# Altium PCB SMIOT_PCB.PcbDoc
Units mm, origin at the board's own origin, x right, y up, seen from the top; angles counter-clockwise.
Board outline 100 x 65 mm, 2 copper layers (Top Layer, Bottom Layer); 119 components, 79 nets, 369 pads, 42 vias.
Unrouted connection lines stored in the file: 79.
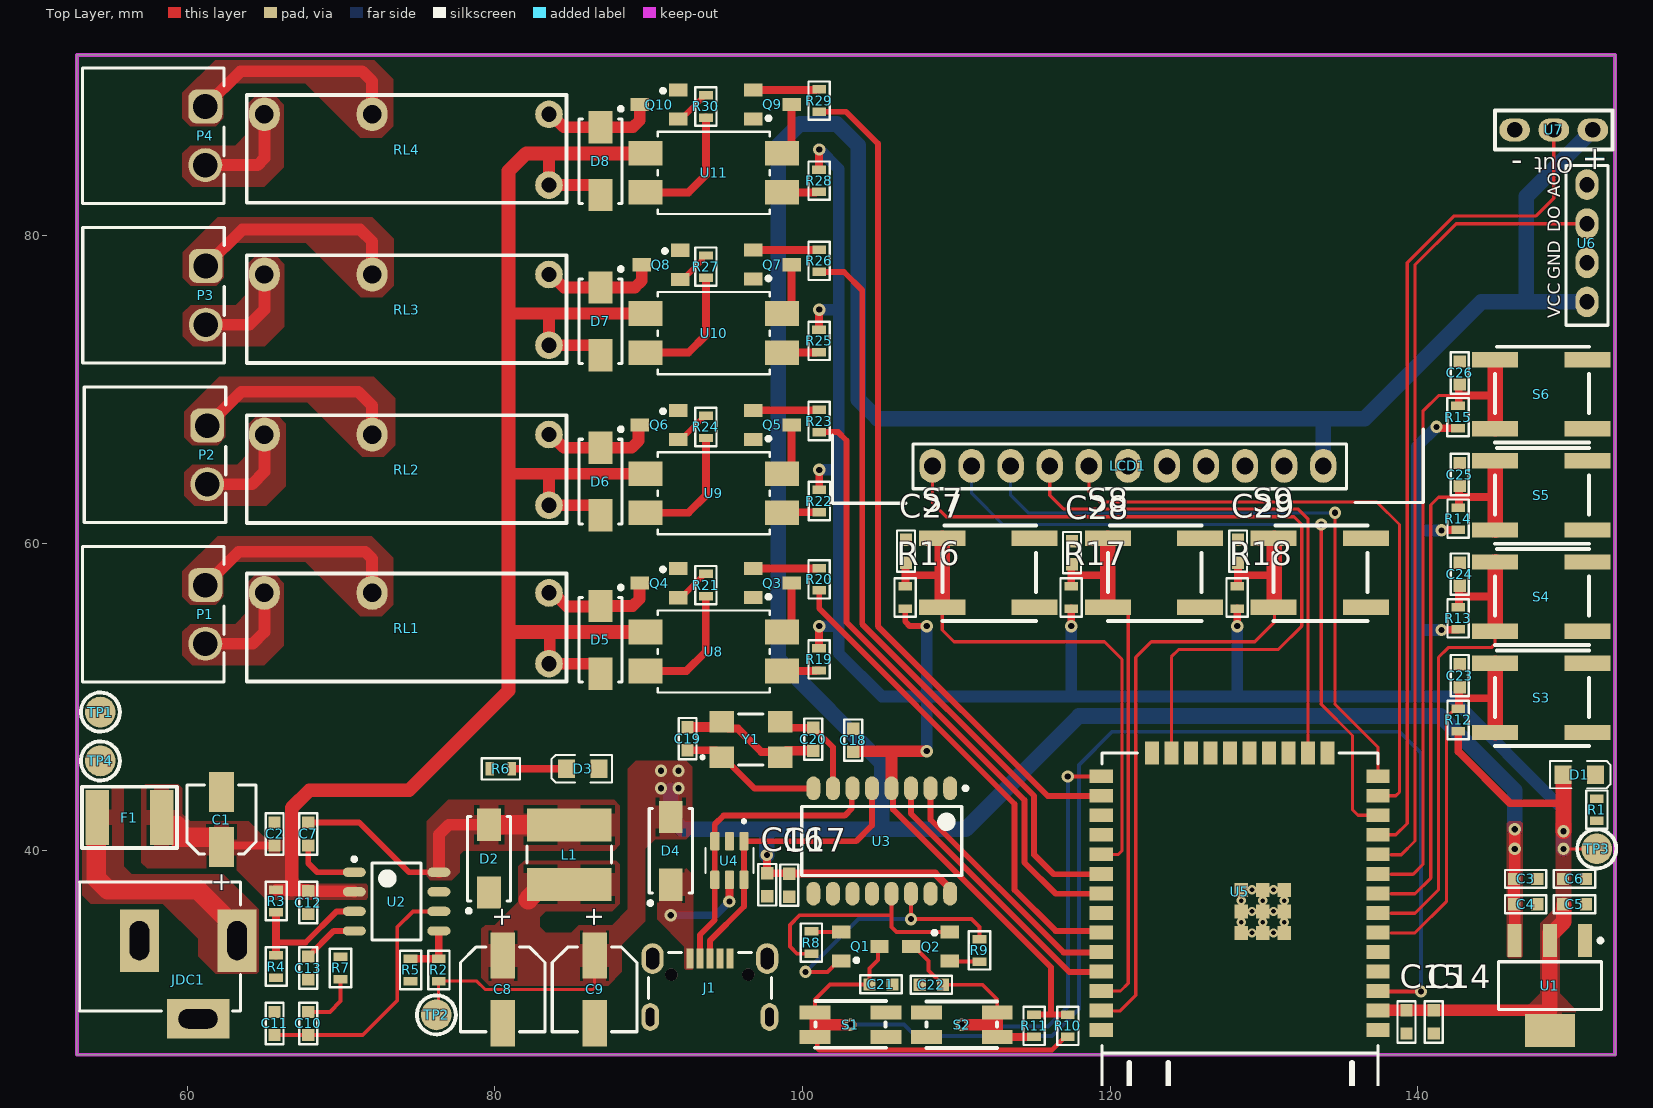
[diagram p0: Top Layer view]
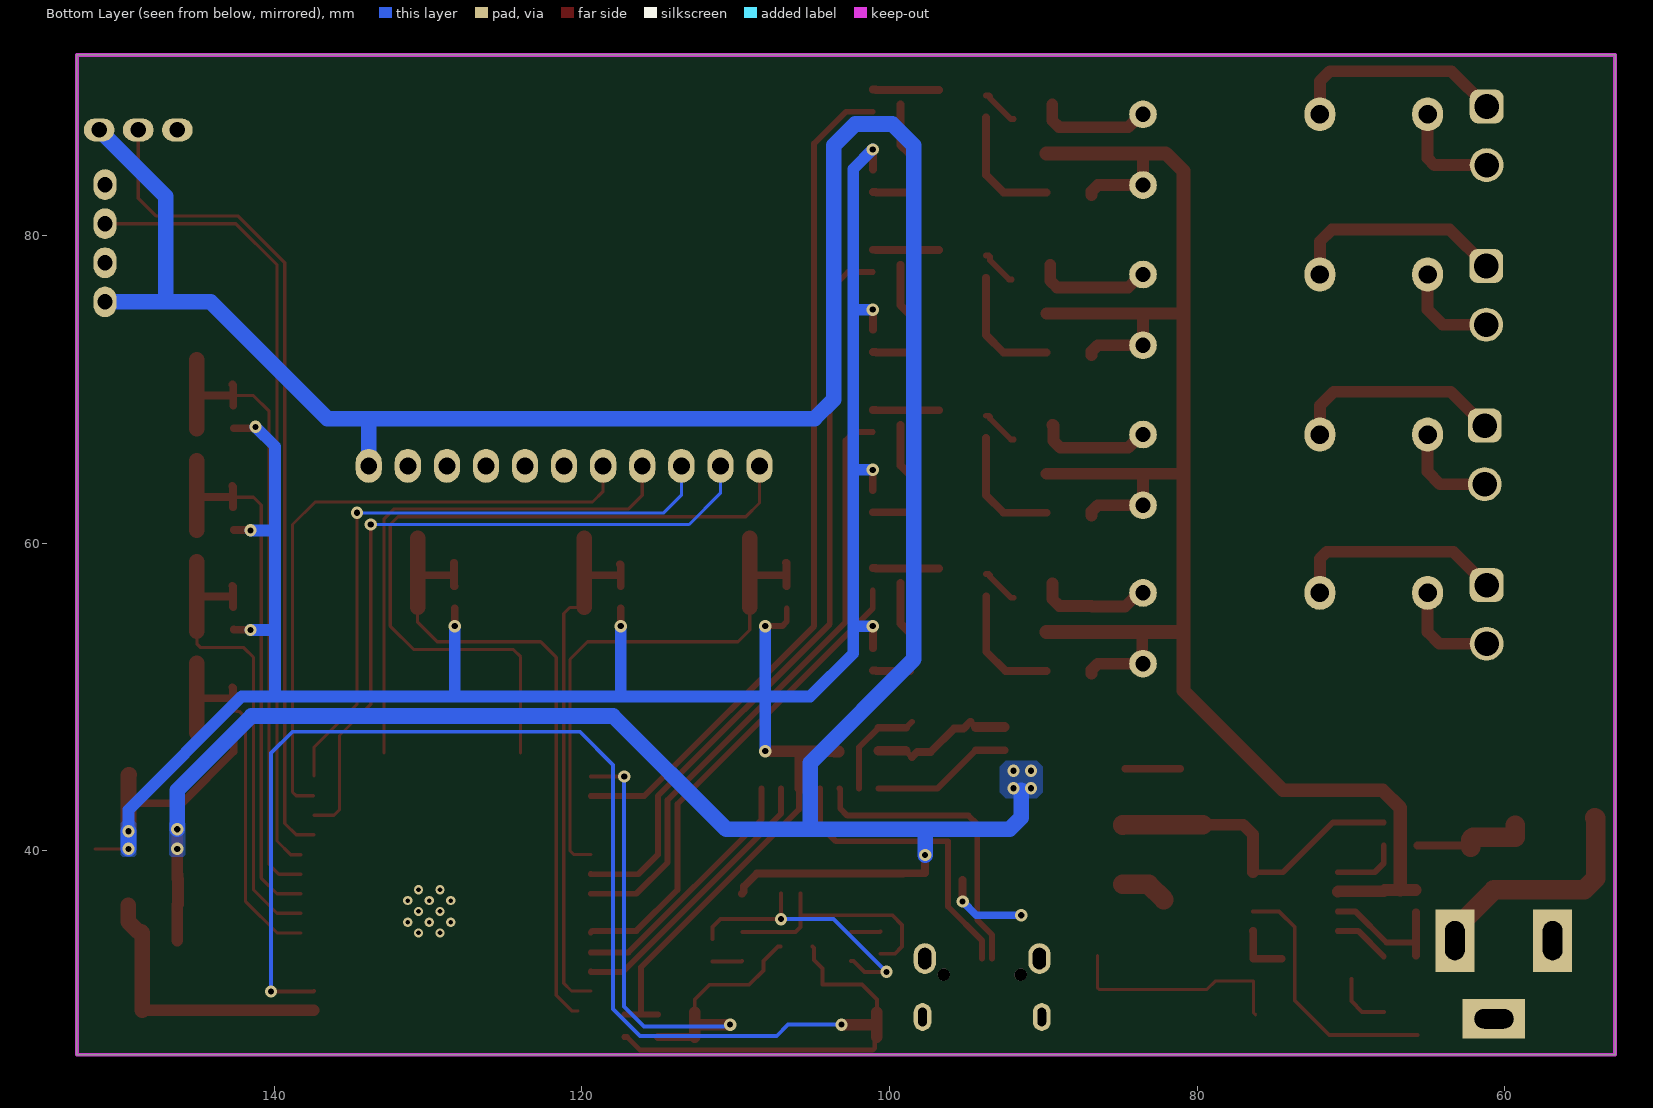
[diagram p1: Bottom Layer view, seen from below]
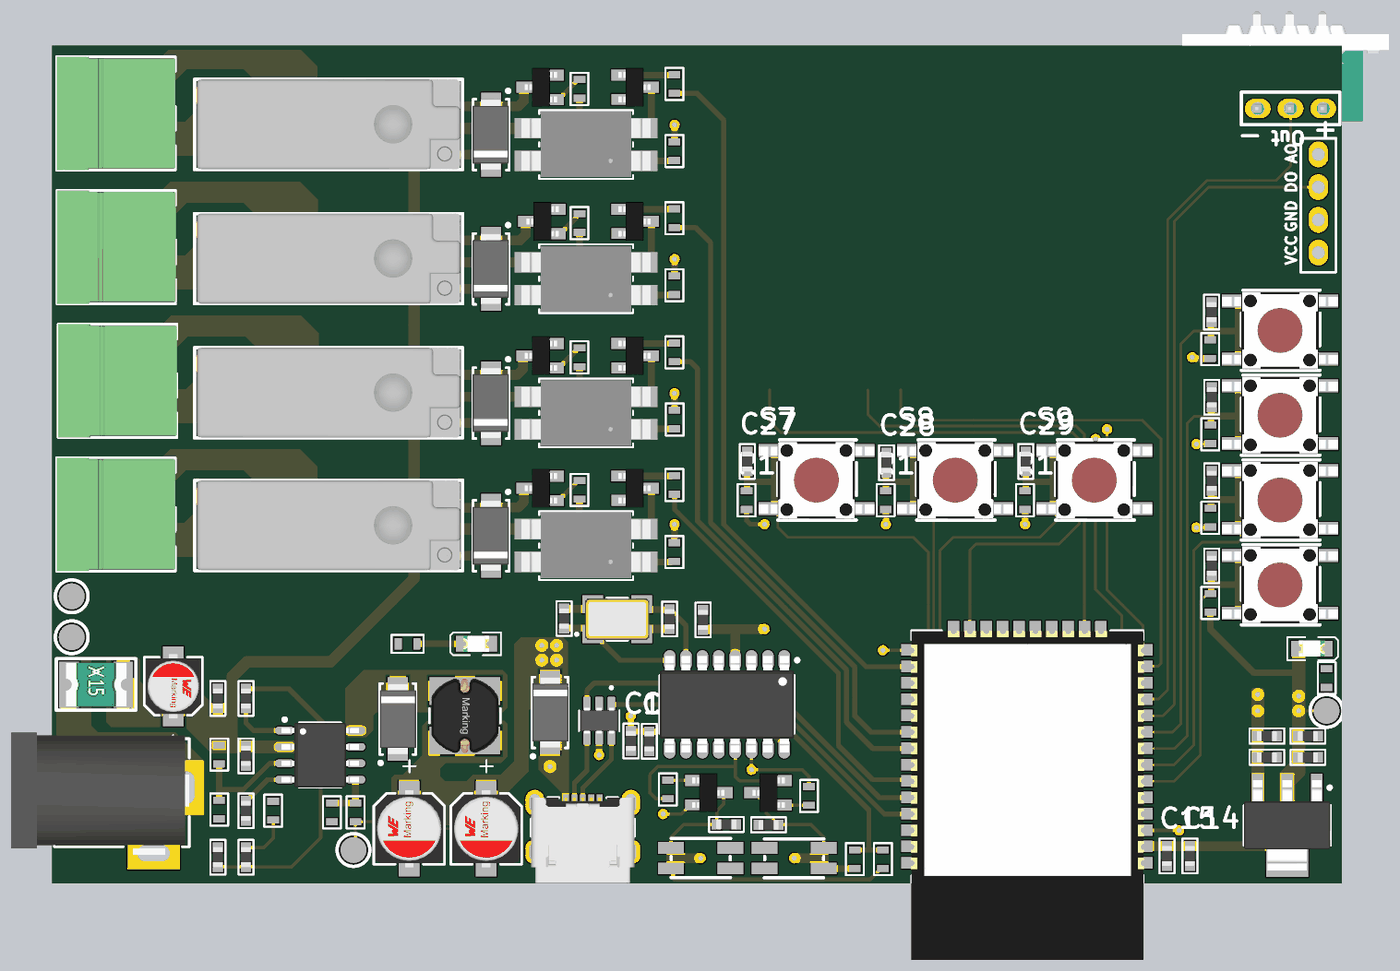
[diagram p2: 3D render of the assembled board from above, using the file's embedded part models]

## Layer stack, top to bottom
Top Solder: solder mask 0.0102, Solder Resist, Dk 3.5
Top Layer: signal copper 0.0356
Dielectric 1: dielectric 0.32, FR-4, Dk 4.8
Bottom Layer: signal copper 0.0356
Bottom Solder: solder mask 0.0102, Solder Resist, Dk 3.5

## Board outline
52.832,26.746 52.832,91.746 152.832,91.746 152.832,26.746

## Design rules (kind name [scope] priority, off if disabled: settings)
Clearance [All] p1: gap=0.203 ignorepadtopadclearanceinfootprint=FALSE
PolygonConnect [All] p1: connectstyle=Relief reliefconductorwidth=0.254 reliefentries=4 polygonreliefangle="90 Angle" airgapwidth=0.254
RoutingVias [All] p1: holewidth=0.711 width=1.27 viastyle="Through Hole" minholewidth=0.711 minwidth=1.27 maxholewidth=0.711 maxwidth=1.27
SolderMaskExpansion [All] p1: expansion=0.102 istentingtop=FALSE
Width [All] p1: maxlimit=1.27 minlimit=0.203 preferedwidth=0.508 minimp=50.000000 maximp=50.000000 favimp=50.000000
30 further rules are at their usual default settings.

## Classes and differential pairs
component class "Power Circuit": C1 C2 C3 C4 C5 C6 C7 C8 C9 C10 C11 C12 C13 D1 D2 D3 F1 H1 H2 H3 H4 JDC1 L1 R1 R2 R3 R4 R5 R6 R7 TP1 TP2 TP3 TP4 U1 U2
component class Output: C27 C28 C29 D5 D6 D7 D8 LCD1 P1 P2 P3 P4 Q3 Q4 Q5 Q6 Q7 Q8 Q9 Q10 R16 R17 R18 R19 R20 R21 R22 R23 R24 R25 R26 R27 R28 R29 R30 RL1 RL2 RL3 RL4 S7 S8 S9 U8 U9 U10 U11
component class MCU: C14 C15 C16 C17 C18 C19 C20 C21 C22 D4 J1 Q1 Q2 R8 R9 R10 R11 S1 S2 U3 U4 U5 Y1
component class Input: C23 C24 C25 C26 R12 R13 R14 R15 S3 S4 S5 S6 U6 U7

## Components (designator, comment, footprint, x,y, rotation, side; value= is the part's Value field where it differs from the comment)
C1 "22uF" WCAP-ASLI_D4H5.5 62.23,42.037 r270 top
C2 "100nF" CAP_0603 65.761,41.148 r90 top
C3 "1uF" CAP_0603 147.066,38.1 r0 top
C4 "100nF" CAP_0603 147.066,36.449 r0 top
C5 "1uF" CAP_0603 150.241,36.449 r0 top
C6 "100nF" CAP_0603 150.241,38.1 r0 top
C7 "100nF" CAP_0603 67.945,41.148 r90 top
C8 "47uF" WCAP-ASLI_D5H5.5 80.518,30.988 r90 top
C9 "47uF" WCAP-ASLI_D5H5.5 86.487,30.988 r90 top
C10 "1nF" CAP_0603 67.945,28.829 r90 top
C11 "47n" CAP_0603 65.761,28.829 r90 top
C12 "10nF" CAP_0603 67.793,36.591 r270 top
C13 "10nF" CAP_0603 67.793,32.33 r270 top
C14 "10uF" CAP_0603 140.97,28.829 r270 top
C15 "100nF" CAP_0603 139.192,28.829 r270 top
C16 "10uF" CAP_0603 97.79,37.846 r90 top
C17 "100nF" CAP_0603 99.06,37.719 r270 top
C18 "10nF" CAP_0603 103.378,47.244 r90 top
C19 "22pF" CAP_0603 92.456,47.244 r270 top
C20 "22pF" CAP_0603 100.787,47.307 r90 top
C21 "100nF" CAP_0603 105.156,31.242 r0 top
C22 "100nF" CAP_0603 108.331,31.369 r180 top
C23 "100nF" CAP_0603 142.813,51.435 r90 top
C24 "100nF" CAP_0603 142.813,58.039 r90 top
C25 "100nF" CAP_0603 142.813,64.516 r90 top
C26 "100nF" CAP_0603 142.799,71.12 r90 top
C27 "100nF" CAP_0603 106.807,59.536 r90 top
C28 "100nF" CAP_0603 117.602,59.436 r90 top
C29 "100nF" CAP_0603 128.397,59.536 r90 top
D1 "LED SMD" LED_0805_Blue 150.495,44.958 r0 top
D2 "D Schottky" SS34 79.629,39.497 r90 top
D3 "LED SMD" LED_0805_Blue 85.725,45.339 r180 top
D4 "D Schottky" SS34 91.44,40.005 r90 top
D5 "SS210" SS34 86.868,53.721 r270 top
D6 "SS210" SS34 86.868,64.008 r270 top
D7 "SS210" SS34 86.868,74.422 r270 top
D8 "SS210" SS34 86.868,84.836 r270 top
F1 "8V, 2A" Fuse_SMD_1812 56.261,42.164 r0 top
H1 "Tooling Hole 3mm" 3mm 208.407,156.845 r0 top
H2 "Tooling Hole 3mm" 3mm 215.646,156.845 r0 top
H3 "Tooling Hole 3mm" 3mm 182.118,156.845 r0 top
H4 "Tooling Hole 3mm" 3mm 189.484,156.845 r0 top
J1 "629105150521" 629105150521 93.98,30.099 r0 top
JDC1 "Jack DC" DC-IN 60.071,31.623 r0 top value="Jac DC"
L1 "10uH, 2.2A" WE-PD2A_5848 84.836,39.751 r270 top
LCD1 "ILI9225" "LCD TFT ILI9225" 117.344,122.415 r0 top
P1 "691322310002" 691322310002 57.785,55.372 r270 top
P2 "691322310002" 691322310002 57.912,65.744 r270 top
P3 "691322310002" 691322310002 57.814,76.115 r270 top
P4 "691322310002" 691322310002 57.785,86.487 r270 top
Q1 "BC817" SOT23B 103.759,33.782 r270 top
Q2 "BC817" SOT23B 108.331,33.782 r90 top
Q3 "BC817" SOT23B 98.044,57.404 r270 top
Q4 "MMBTA42" SOT23B 90.678,57.404 r90 top
Q5 "BC817" SOT23B 98.044,67.691 r270 top
Q6 "MMBTA42" SOT23B 90.678,67.691 r90 top
Q7 "BC817" SOT23B 98.044,78.105 r270 top
Q8 "MMBTA42" SOT23B 90.805,78.105 r90 top
Q9 "BC817" SOT23B 98.044,88.519 r270 top
Q10 "MMBTA42" SOT23B 90.678,88.519 r90 top
R1 "2.5k" resistor_0603 151.638,42.672 r270 top
R2 "8.2k" resistor_0603 76.352,32.258 r270 top
R3 "100k" resistor_0603 65.786,36.736 r270 top
R4 "20k" resistor_0603 65.786,32.475 r270 top
R5 "1.5k" resistor_0603 74.524,32.258 r270 top
R6 "5.6k" resistor_0603 80.391,45.339 r180 top
R7 "30k" resistor_0603 69.977,32.385 r90 top
R8 "10k" resistor_0603 100.584,34.036 r90 top
R9 "10k" resistor_0603 111.506,33.528 r270 top
R10 "10k" resistor_0603 117.246,28.626 r270 top
R11 "10k" resistor_0603 115.062,28.626 r270 top
R12 "10k" resistor_0603 142.635,48.514 r90 top
R13 "10k" resistor_0603 142.635,55.118 r90 top
R14 "10k" resistor_0603 142.635,61.595 r90 top
R15 "10k" resistor_0603 142.621,68.199 r90 top
R16 "10k" resistor_0603 106.68,56.478 r90 top
R17 "10k" resistor_0603 117.475,56.478 r90 top
R18 "10k" resistor_0603 128.27,56.478 r90 top
R19 "220" resistor_0603 101.078,52.451 r270 top
R20 "2.2k" resistor_0603 101.092,57.658 r90 top
R21 "2.2k" resistor_0603 93.726,57.277 r90 top
R22 "220" resistor_0603 101.092,62.738 r270 top
R23 "2.2k" resistor_0603 101.092,67.945 r90 top
R24 "2.2k" resistor_0603 93.726,67.564 r90 top
R25 "220" resistor_0603 101.078,73.152 r270 top
R26 "2.2k" resistor_0603 101.092,78.359 r90 top
R27 "2.2k" resistor_0603 93.726,77.978 r90 top
R28 "220" resistor_0603 101.078,83.566 r270 top
R29 "2.2k" resistor_0603 101.092,88.773 r90 top
R30 "2.2k" resistor_0603 93.726,88.392 r90 top
RL1 "HF46F" HF46F 74.274,54.219 r180 top
RL2 "HF46F" HF46F 74.274,64.516 r180 top
RL3 "HF46F" HF46F 74.274,74.92 r180 top
RL4 "HF46F" HF46F 74.274,85.334 r180 top
S1 "Tactile_Switch" Tactile_Button_3x4x2.5 103.124,28.702 r0 top
S2 "Tactile_Switch" Tactile_Button_3x4x2.5 110.363,28.702 r180 top
S3 "Tactile_Switch_6x6" Tactile_Switch_6x6 145.034,47.697 r0 top
S4 "Tactile_Switch_6x6" Tactile_Switch_6x6 145.034,54.277 r0 top
S5 "Tactile_Switch_6x6" Tactile_Switch_6x6 145.034,60.857 r0 top
S6 "Tactile_Switch_6x6" Tactile_Switch_6x6 145.034,67.437 r0 top
S7 "Tactile_Switch_6x6" Tactile_Switch_6x6 109.093,55.825 r0 top
S8 "Tactile_Switch_6x6" Tactile_Switch_6x6 119.857,55.825 r0 top
S9 "Tactile_Switch_6x6" Tactile_Switch_6x6 130.632,55.825 r0 top
TP1 "Test_Point" TP_2MM 54.356,49.022 r0 top
TP2 "Test_Point" TP_2MM 76.2,29.337 r0 top
TP3 "Test_Point" TP_2MM 151.638,40.132 r0 top
TP4 "Test_Point" TP_2MM 54.356,45.847 r0 top
U1 "AMS1117-3.3V" "AMS1117-3.3V SOT223" 148.59,31.242 r270 top
U2 "TPS54231D" SOIC8 73.616,36.703 r0 top
U3 "CH340G" DSIP-16 105.156,40.64 r270 top
U4 "USBLC6-2SC6" SOT95P280X145-6N 95.25,39.37 r270 top
U5 "ESP32-WROOM-32E" ESP32-WROOM 137.424,46.355 r180 top
U6 "LM393_Module" "Flame Sensor" 151.003,75.692 r0 top
U7 "DHT11_Module" DHT11_Module 151.384,86.868 r90 top
U8 "PC817X2NIPW" PC817XI_SHP 94.234,52.959 r180 top
U9 "PC817X2NIPW" PC817XI_SHP 94.234,63.246 r180 top
U10 "PC817X2NIPW" PC817XI_SHP 94.234,73.66 r180 top
U11 "PC817X2NIPW" PC817XI_SHP 94.234,84.074 r180 top
Y1 "12MHz" WE-XTAL_CFPX-104 96.647,47.244 r0 top

## Footprints (in the part's own frame and the unit in brackets; to place one, negate y for a bottom-side part, rotate by r counter-clockwise, add the part's x,y. Pads: shape width x height; smd on the part's side, far side on the other; paste and mask are expansions set on the pad)
3mm [mm]
  round 3 hole 3 unplated mask+1.5: 0(0,0)
629105150521 [mm]
  rect 0.45x1.3 smd: 1(-1.3,2.9) 2(-0.65,2.9) 3(0,2.9) 4(0.65,2.9) 5(1.3,2.9)
  round 0.8 hole 0.8 unplated: MH1(-2.5,1.85) MH2(2.5,1.85)
  oval 1.15x1.8 hole 0.55 slot 1.2 at 90 deg: Shell(-3.875,-0.9) Shell(3.875,-0.9)
  oval 1.45x2 hole 0.85 slot 1.4 at 90 deg: Shell(-3.725,2.9) Shell(3.725,2.9)
  silkscreen extent -4,0.3 4,3.3, body extent -4,-3.3 4,3.3, height 2.75
691322310002 [mm] "Horizontal PCB Header, pitch 3.81mm, 02p"
  rrect50% 2.2x2.2 hole 1.6: 1(-1.905,3.4)
  round 2.2 hole 1.6: 2(1.905,3.4)
  silkscreen extent -4.4,-4.6 4.41,4.6, body extent -4.4,-4.6 4.41,4.6, height 7.25
"AMS1117-3.3V SOT223" [mm] "SOT223, 4-Leads, Body 6.51x7.00mm, Pitch 2.29mm"
  rect 2.15x0.9 smd: 1(-2.93,2.29) 2(-2.93,0) 3(-2.93,-2.29)
  rect 2.15x3.25 smd: 4(2.93,0)
  silkscreen extent -3.05,-3.35 1.55,3.42, body extent -3.5,-3.35 3.5,3.35, height 1.8
CAP_0603 [mm]
  rect 0.8x0.8 smd: 1(-0.801,0.076) 2(0.699,0.076)
  silkscreen extent -1.4,-0.51 1.3,0.66, body extent -0.85,-0.32 0.75,0.48, height 0.8
DC-IN [mil]
  rect 100x160 hole 50 slot 100 at 90 deg: 1(125,100) 2(-125,100)
  rect 160x100 hole 50 slot 100 at 0 deg: 3(25,-100)
  silkscreen extent -278,-80 134,250, body extent -410,-105 134,269, height 434
DHT11_Module [mm]
  oval 1.5x2 hole 1: 1(0,0) 2(0,2.54) 3(0,5.08)
  silkscreen extent -1.27,-1.27 1.27,6.35, body extent -0.99,-5.08 7.51,10.92, height 3.61
DSIP-16 [mm]
  oval 1.55x0.9 smd: 1(-3.425,4.445) 2(-3.425,3.175) 3(-3.425,1.905) 4(-3.425,0.635) 5(-3.425,-0.635) 6(-3.425,-1.905) 7(-3.425,-3.175) 8(-3.425,-4.445) 9(3.425,-4.445) 10(3.425,-3.175) 11(3.425,-1.905) 12(3.425,-0.635) 13(3.425,0.635) 14(3.425,1.905) 15(3.425,3.175) 16(3.425,4.445)
  silkscreen extent -3.55,-5.2 2.25,5.57, body extent -3.75,-5.2 3.75,5.2, height 2.25
ESP32-WROOM [mm]
  rect 1.5x0.9 smd mask+0.102: 1(0,18.01) 2(0,16.74) 3(0,15.47) 4(0,14.2) 5(0,12.93) 6(0,11.66) 7(0,10.39) 8(0,9.12) 9(0,7.85) 10(0,6.58) 11(0,5.31) 12(0,4.04) 13(0,2.77) 14(0,1.5) 25(18,1.5) 26(18,2.77) 27(18,4.04) 28(18,5.31) 29(18,6.58) 30(18,7.85) 31(18,9.12) 32(18,10.39) 33(18,11.66) 34(18,12.93) 35(18,14.2) 36(18,15.47) 37(18,16.74) 38(18,18.01)
  rect 0.9x1.5 smd mask+0.102: 15(3.28,0) 16(4.55,0) 17(5.82,0) 18(7.09,0) 19(8.36,0) 20(9.63,0) 21(10.9,0) 22(12.17,0) 23(13.44,0) 24(14.71,0)
  rect 0.9x0.9 smd mask+0.102: 39(6.1,8.89) 39(6.1,10.29) 39(6.1,11.69) 39(7.5,8.89) 39(7.5,10.29) 39(7.5,11.69) 39(8.9,8.89) 39(8.9,10.29) 39(8.9,11.69)
  silkscreen extent 0,0 17.94,25.5, body extent -0.07,0 18,25.54, height 3.04
"Flame Sensor" [mm]
  oval 1.5x2 hole 1: 1(0,0) 2(0,2.54) 3(0,5.08) 4(0,7.62)
  silkscreen extent -1.37,-1.52 1.37,8.86, body extent -1.16,-4.57 6.6,9.65, height 40.07
Fuse_SMD_1812 [mil] "Fuse SMD, size 1812"
  rect 60x140 smd: 0(-83.41,0) 1(82,0)
  silkscreen extent -122,-78 121,79, body extent -93,-67 93,67, height 18
HF46F [mm]
  round 1.8 hole 1: 1(-9.25,2.05) 2(-9.25,-2.55)
  oval 2x2.2 hole 1.2: 3(2.25,-2.55) 4(9.25,-2.55)
  silkscreen extent -10.4,-3.8 10.4,3.2, body extent -10.2,-3.81 10.2,3.19, height 14.79
"LCD TFT ILI9225" [mm]
  oval 1.7x2.2 hole 1.1 mask+0.102: 1(-8.886,-57.391) 2(-6.346,-57.391) 3(-3.806,-57.391) 4(-1.266,-57.391) 5(1.274,-57.391) 6(3.814,-57.391) 7(6.354,-57.391) 8(8.894,-57.391) 9(11.434,-57.391) 10(13.974,-57.391) 11(16.514,-57.391)
  silkscreen extent -15.39,-59.82 23.04,2.74, body extent -15.4,-59.78 23.05,2.76, height 14.67
LED_0805_Blue [mm]
  rect 1.1x1.2 smd: 1(-1.05,0) 2(1.05,0)
  silkscreen extent -1.91,-0.89 2.03,0.89, body extent -1,-0.63 1,0.62, height 0.68
PC817XI_SHP [mm]
  rect 2.2x1.6 smd paste+0 mask+0: 1(-4.432,1.27) 2(-4.432,-1.27) 3(4.432,-1.27) 4(4.432,1.27)
  silkscreen extent -3.63,-2.67 3.63,2.67, body extent -5,-2.54 5,2.54, height 4.6
resistor_0603 [mm]
  rect 0.55x0.9 smd: 1(-0.725,0) 2(0.725,0)
  silkscreen extent -1.25,-0.69 1.24,0.7, body extent -0.8,-0.45 0.8,0.45, height 0.5
SOIC8 [mm]
  oval 1.5x0.6 smd: 1(-2.75,1.905) 2(-2.75,0.635) 3(-2.75,-0.635) 4(-2.75,-1.905) 5(2.75,-1.905) 6(2.75,-0.635) 7(2.75,0.635) 8(2.75,1.905)
  silkscreen extent -2.87,-2.5 1.6,2.88, body extent -3.01,-2.5 3.01,2.5, height 1.75
SOT23B [mm]
  rect 0.85x1.2 smd: 1(0.94,-1.245) 2(0,1.25) 3(-0.95,-1.25)
  silkscreen extent 0.77,-0.38 1.02,-0.13, body extent -1.5,-1.3 1.5,1.2, height 1.06
SOT95P280X145-6N [mm]
  rrect25% 1.21x0.59 smd: 1(-1.255,0.95) 2(-1.255,0) 3(-1.255,-0.95) 4(1.255,-0.95) 5(1.255,0) 6(1.255,0.95)
  silkscreen extent -2.65,-1.57 0.81,1.57, body extent -1.4,-1.46 1.4,1.46, height 0.4
SS34 [mm]
  rect 2.1x1.55 smd: 1(-2.2,0) 2(2.2,0)
  silkscreen extent -3.52,-1.4 2.75,1.45, body extent -2.75,-1.42 2.75,1.38, height 2.3
Tactile_Button_3x4x2.5 [mm] "Tactile button, 4 Pin, SMD"
  rect 2x0.9 smd: 1(-2.3,0.8) 2(-2.3,-0.8) 3(2.3,0.8) 4(2.3,-0.8)
  silkscreen extent -2.3,-1.5 2.31,1.52
Tactile_Switch_6x6 [mm]
  rect 3x1 smd: 1(0,4.5) 2(0,0) 3(6,4.5) 4(6,0)
  silkscreen extent 0,-0.89 6.1,5.33, body extent -1.5,-0.79 7.5,5.21, height 13
TP_2MM [mm] "Test point, 2mm."
  round 2 smd: 1(0,0)
  silkscreen extent -1.27,-1.27 1.27,1.27
WCAP-ASLI_D4H5.5 [mm] "Aluminium Electrolytic V-Chip SMT Capacitors, 4x5.5mm"
  rect 2.6x1.6 smd: 1(1.8,0) 2(-1.8,0)
  silkscreen extent -2.25,-2.25 2.25,2.25, body extent -2.5,-2.15 2.5,2.15, height 5.5
WCAP-ASLI_D5H5.5 [mm] "Aluminium Electrolytic V-Chip SMT Capacitors, 5x5.5mm"
  rect 3x1.6 smd: 1(2.2,0) 2(-2.2,0)
  silkscreen extent -2.75,-2.75 2.75,2.75, body extent -3,-2.65 3,2.65, height 5.5
WE-PD2A_5848 [mm] "SMD Power Inductor, body 5.8x5.2mm"
  rect 2.15x5.5 smd: 1(-1.925,0) 2(1.925,0)
  silkscreen extent -0.55,-2.75 0.55,2.75, body extent -2.9,-2.6 2.89,2.6, height 4.5
WE-XTAL_CFPX-104 [mm]
  rect 1.6x1.4 smd: 1(-1.9,-1.15) 2(1.9,-1.15) 3(1.9,1.15) 4(-1.9,1.15)
  silkscreen extent -3.24,-1.65 0.8,1.65, body extent -2.5,-1.6 2.5,1.6, height 0.95
